# Altium PCB DIOT_Kasli_Adapter.PcbDoc (part 1 of 10) (continued)
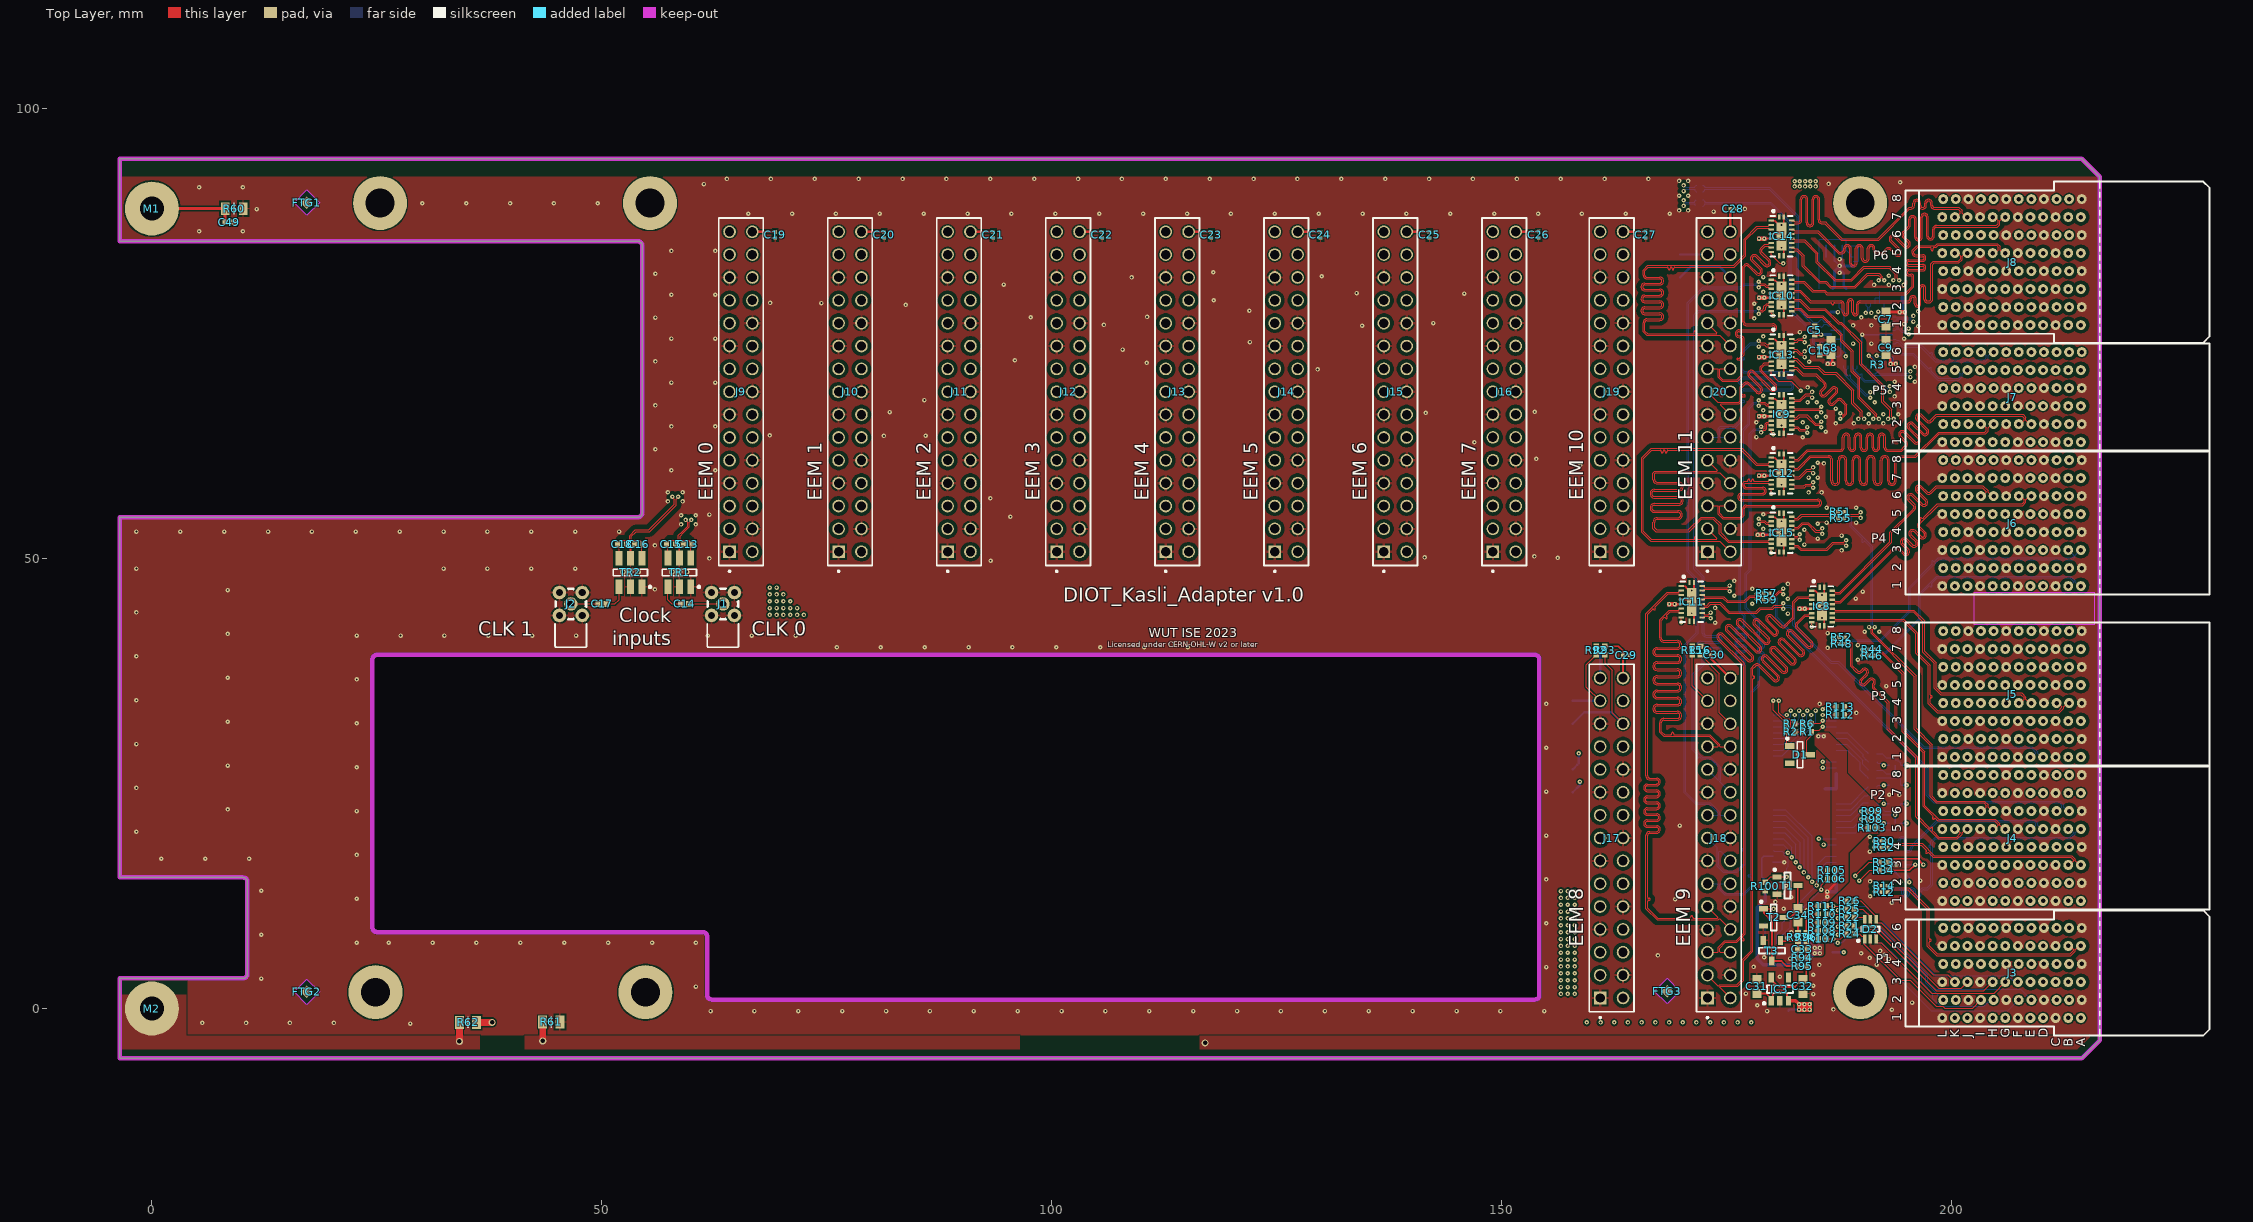
[diagram p0: Top Layer view]
## Classes and differential pairs
component class Press-fit: J3 J4 J5 J6 J7 J8
component class Overlapping: J3 J8
component class Artix: T1 T2 T3
net class ESD_STRIP: CHASSIS STRIP2_5 STRIP3_5
component class DIOT_Kasli_Adapter: C49 FTG1 FTG2 FTG3 FTG4 FTG5 FTG6 M1 M2 R60 R61 R62 TP1 TP2 TP3 TP4 TP5 TP6 TP7 TP8 TP9 TP10 TP12 TP13
net class EXTx2_c: EXT11b.LVDS_0_N EXT11b.LVDS_0_P EXT11b.LVDS_1_N EXT11b.LVDS_1_P EXT11b.LVDS_2_N EXT11b.LVDS_2_P EXT11b.LVDS_3_N EXT11b.LVDS_3_P EXT11b.LVDS_4_N EXT11b.LVDS_4_P EXT11b.LVDS_5_N EXT11b.LVDS_5_P EXT11b.LVDS_6_N EXT11b.LVDS_6_P EXT11b.LVDS_7_N EXT11b.LVDS_7_P
net class EXTx2_a: EXT11.LVDS_0_N EXT11.LVDS_0_P EXT11.LVDS_1_N EXT11.LVDS_1_P EXT11.LVDS_2_N EXT11.LVDS_2_P EXT11.LVDS_3_N EXT11.LVDS_3_P EXT11.LVDS_4_N EXT11.LVDS_4_P EXT11.LVDS_5_N EXT11.LVDS_5_P EXT11.LVDS_6_N EXT11.LVDS_6_P EXT11.LVDS_7_N EXT11.LVDS_7_P
net class EXTx1_c: EXT9b.LVDS_0_N EXT9b.LVDS_0_P EXT9b.LVDS_1_N EXT9b.LVDS_1_P EXT9b.LVDS_2_N EXT9b.LVDS_2_P EXT9b.LVDS_3_N EXT9b.LVDS_3_P EXT9b.LVDS_4_N EXT9b.LVDS_4_P EXT9b.LVDS_5_N EXT9b.LVDS_5_P EXT9b.LVDS_6_N EXT9b.LVDS_6_P EXT9b.LVDS_7_N EXT9b.LVDS_7_P
net class EXTx1_b: EXT9a.LVDS_0_N EXT9a.LVDS_0_P EXT9a.LVDS_1_N EXT9a.LVDS_1_P EXT9a.LVDS_2_N EXT9a.LVDS_2_P EXT9a.LVDS_3_N EXT9a.LVDS_3_P EXT9a.LVDS_4_N EXT9a.LVDS_4_P EXT9a.LVDS_5_N EXT9a.LVDS_5_P EXT9a.LVDS_6_N EXT9a.LVDS_6_P EXT9a.LVDS_7_N EXT9a.LVDS_7_P
component class U_MUX_EEM_EXT: C41 C42 C43 C44 C45 C46 C47 C48 IC8 IC9 IC10 IC11 IC12 IC13 IC14 IC15
net class SLOT8: EXT11b.LVDS_0_N EXT11b.LVDS_0_P EXT11b.LVDS_1_N EXT11b.LVDS_1_P EXT11b.LVDS_2_N EXT11b.LVDS_2_P EXT11b.LVDS_3_N EXT11b.LVDS_3_P EXT11b.LVDS_4_N EXT11b.LVDS_4_P EXT11b.LVDS_5_N EXT11b.LVDS_5_P EXT11b.LVDS_6_N EXT11b.LVDS_6_P EXT11b.LVDS_7_N EXT11b.LVDS_7_P
net class SLOT7: EXT10.LVDS_0_N EXT10.LVDS_0_P EXT10.LVDS_1_N EXT10.LVDS_1_P EXT10.LVDS_2_N EXT10.LVDS_2_P EXT10.LVDS_3_N EXT10.LVDS_3_P EXT10.LVDS_4_N EXT10.LVDS_4_P EXT10.LVDS_5_N EXT10.LVDS_5_P EXT10.LVDS_6_N EXT10.LVDS_6_P EXT10.LVDS_7_N EXT10.LVDS_7_P EXT11a.LVDS_0_N EXT11a.LVDS_0_P EXT11a.LVDS_1_N EXT11a.LVDS_1_P EXT11a.LVDS_2_N EXT11a.LVDS_2_P EXT11a.LVDS_3_N EXT11a.LVDS_3_P EXT11a.LVDS_4_N EXT11a.LVDS_4_P EXT11a.LVDS_5_N EXT11a.LVDS_5_P EXT11a.LVDS_6_N EXT11a.LVDS_6_P EXT11a.LVDS_7_N EXT11a.LVDS_7_P
net class SLOT6: EXT9b.LVDS_0_N EXT9b.LVDS_0_P EXT9b.LVDS_1_N EXT9b.LVDS_1_P EXT9b.LVDS_2_N EXT9b.LVDS_2_P EXT9b.LVDS_3_N EXT9b.LVDS_3_P EXT9b.LVDS_4_N EXT9b.LVDS_4_P EXT9b.LVDS_5_N EXT9b.LVDS_5_P EXT9b.LVDS_6_N EXT9b.LVDS_6_P EXT9b.LVDS_7_N EXT9b.LVDS_7_P
net class SLOT5: EXT8.LVDS_0_N EXT8.LVDS_0_P EXT8.LVDS_1_N EXT8.LVDS_1_P EXT8.LVDS_2_N EXT8.LVDS_2_P EXT8.LVDS_3_N EXT8.LVDS_3_P EXT8.LVDS_4_N EXT8.LVDS_4_P EXT8.LVDS_5_N EXT8.LVDS_5_P EXT8.LVDS_6_N EXT8.LVDS_6_P EXT8.LVDS_7_N EXT8.LVDS_7_P EXT9a.LVDS_0_N EXT9a.LVDS_0_P EXT9a.LVDS_1_N EXT9a.LVDS_1_P EXT9a.LVDS_2_N EXT9a.LVDS_2_P EXT9a.LVDS_3_N EXT9a.LVDS_3_P EXT9a.LVDS_4_N EXT9a.LVDS_4_P EXT9a.LVDS_5_N EXT9a.LVDS_5_P EXT9a.LVDS_6_N EXT9a.LVDS_6_P EXT9a.LVDS_7_N EXT9a.LVDS_7_P
net class SLOT4: EXT6.LVDS_0_N EXT6.LVDS_0_P EXT6.LVDS_1_N EXT6.LVDS_1_P EXT6.LVDS_2_N EXT6.LVDS_2_P EXT6.LVDS_3_N EXT6.LVDS_3_P EXT6.LVDS_4_N EXT6.LVDS_4_P EXT6.LVDS_5_N EXT6.LVDS_5_P EXT6.LVDS_6_N EXT6.LVDS_6_P EXT6.LVDS_7_N EXT6.LVDS_7_P EXT7.LVDS_0_N EXT7.LVDS_0_P EXT7.LVDS_1_N EXT7.LVDS_1_P EXT7.LVDS_2_N EXT7.LVDS_2_P EXT7.LVDS_3_N EXT7.LVDS_3_P EXT7.LVDS_4_N EXT7.LVDS_4_P EXT7.LVDS_5_N EXT7.LVDS_5_P EXT7.LVDS_6_N EXT7.LVDS_6_P EXT7.LVDS_7_N EXT7.LVDS_7_P
net class SLOT3: EXT4.LVDS_0_N EXT4.LVDS_0_P EXT4.LVDS_1_N EXT4.LVDS_1_P EXT4.LVDS_2_N EXT4.LVDS_2_P EXT4.LVDS_3_N EXT4.LVDS_3_P EXT4.LVDS_4_N EXT4.LVDS_4_P EXT4.LVDS_5_N EXT4.LVDS_5_P EXT4.LVDS_6_N EXT4.LVDS_6_P EXT4.LVDS_7_N EXT4.LVDS_7_P EXT5.LVDS_0_N EXT5.LVDS_0_P EXT5.LVDS_1_N EXT5.LVDS_1_P EXT5.LVDS_2_N EXT5.LVDS_2_P EXT5.LVDS_3_N EXT5.LVDS_3_P EXT5.LVDS_4_N EXT5.LVDS_4_P EXT5.LVDS_5_N EXT5.LVDS_5_P EXT5.LVDS_6_N EXT5.LVDS_6_P EXT5.LVDS_7_N EXT5.LVDS_7_P
net class SLOT2: EXT2.LVDS_0_N EXT2.LVDS_0_P EXT2.LVDS_1_N EXT2.LVDS_1_P EXT2.LVDS_2_N EXT2.LVDS_2_P EXT2.LVDS_3_N EXT2.LVDS_3_P EXT2.LVDS_4_N EXT2.LVDS_4_P EXT2.LVDS_5_N EXT2.LVDS_5_P EXT2.LVDS_6_N EXT2.LVDS_6_P EXT2.LVDS_7_N EXT2.LVDS_7_P EXT3.LVDS_0_N EXT3.LVDS_0_P EXT3.LVDS_1_N EXT3.LVDS_1_P EXT3.LVDS_2_N EXT3.LVDS_2_P EXT3.LVDS_3_N EXT3.LVDS_3_P EXT3.LVDS_4_N EXT3.LVDS_4_P EXT3.LVDS_5_N EXT3.LVDS_5_P EXT3.LVDS_6_N EXT3.LVDS_6_P EXT3.LVDS_7_N EXT3.LVDS_7_P
net class SLOT1: EXT0.LVDS_0_N EXT0.LVDS_0_P EXT0.LVDS_1_N EXT0.LVDS_1_P EXT0.LVDS_2_N EXT0.LVDS_2_P EXT0.LVDS_3_N EXT0.LVDS_3_P EXT0.LVDS_4_N EXT0.LVDS_4_P EXT0.LVDS_5_N EXT0.LVDS_5_P EXT0.LVDS_6_N EXT0.LVDS_6_P EXT0.LVDS_7_N EXT0.LVDS_7_P EXT1.LVDS_0_N EXT1.LVDS_0_P EXT1.LVDS_1_N EXT1.LVDS_1_P EXT1.LVDS_2_N EXT1.LVDS_2_P EXT1.LVDS_3_N EXT1.LVDS_3_P EXT1.LVDS_4_N EXT1.LVDS_4_P EXT1.LVDS_5_N EXT1.LVDS_5_P EXT1.LVDS_6_N EXT1.LVDS_6_P EXT1.LVDS_7_N EXT1.LVDS_7_P
net class SERVMOD: SERVMOD.1_SERVMOD_5 SERVMOD.2_SERVMOD_5 SERVMOD.3_SERVMOD_5 SERVMOD.4_SERVMOD_5 SERVMOD.5_SERVMOD_5 SERVMOD.6_SERVMOD_5 SERVMOD.7_SERVMOD_5 SERVMOD.8_SERVMOD_5
net class EXTx1_a: EXT9.LVDS_0_N EXT9.LVDS_0_P EXT9.LVDS_1_N EXT9.LVDS_1_P EXT9.LVDS_2_N EXT9.LVDS_2_P EXT9.LVDS_3_N EXT9.LVDS_3_P EXT9.LVDS_4_N EXT9.LVDS_4_P EXT9.LVDS_5_N EXT9.LVDS_5_P EXT9.LVDS_6_N EXT9.LVDS_6_P EXT9.LVDS_7_N EXT9.LVDS_7_P
net class EXTx2_b: EXT11a.LVDS_0_N EXT11a.LVDS_0_P EXT11a.LVDS_1_N EXT11a.LVDS_1_P EXT11a.LVDS_2_N EXT11a.LVDS_2_P EXT11a.LVDS_3_N EXT11a.LVDS_3_P EXT11a.LVDS_4_N EXT11a.LVDS_4_P EXT11a.LVDS_5_N EXT11a.LVDS_5_P EXT11a.LVDS_6_N EXT11a.LVDS_6_P EXT11a.LVDS_7_N EXT11a.LVDS_7_P
net class EXT11: EXT11.LVDS_0_N EXT11.LVDS_0_P EXT11.LVDS_1_N EXT11.LVDS_1_P EXT11.LVDS_2_N EXT11.LVDS_2_P EXT11.LVDS_3_N EXT11.LVDS_3_P EXT11.LVDS_4_N EXT11.LVDS_4_P EXT11.LVDS_5_N EXT11.LVDS_5_P EXT11.LVDS_6_N EXT11.LVDS_6_P EXT11.LVDS_7_N EXT11.LVDS_7_P
net class EXT11b: EXT11b.LVDS_0_N EXT11b.LVDS_0_P EXT11b.LVDS_1_N EXT11b.LVDS_1_P EXT11b.LVDS_2_N EXT11b.LVDS_2_P EXT11b.LVDS_3_N EXT11b.LVDS_3_P EXT11b.LVDS_4_N EXT11b.LVDS_4_P EXT11b.LVDS_5_N EXT11b.LVDS_5_P EXT11b.LVDS_6_N EXT11b.LVDS_6_P EXT11b.LVDS_7_N EXT11b.LVDS_7_P
net class EXT11a: EXT11a.LVDS_0_N EXT11a.LVDS_0_P EXT11a.LVDS_1_N EXT11a.LVDS_1_P EXT11a.LVDS_2_N EXT11a.LVDS_2_P EXT11a.LVDS_3_N EXT11a.LVDS_3_P EXT11a.LVDS_4_N EXT11a.LVDS_4_P EXT11a.LVDS_5_N EXT11a.LVDS_5_P EXT11a.LVDS_6_N EXT11a.LVDS_6_P EXT11a.LVDS_7_N EXT11a.LVDS_7_P
net class EXT10: EXT10.LVDS_0_N EXT10.LVDS_0_P EXT10.LVDS_1_N EXT10.LVDS_1_P EXT10.LVDS_2_N EXT10.LVDS_2_P EXT10.LVDS_3_N EXT10.LVDS_3_P EXT10.LVDS_4_N EXT10.LVDS_4_P EXT10.LVDS_5_N EXT10.LVDS_5_P EXT10.LVDS_6_N EXT10.LVDS_6_P EXT10.LVDS_7_N EXT10.LVDS_7_P
net class EXT9: EXT9.LVDS_0_N EXT9.LVDS_0_P EXT9.LVDS_1_N EXT9.LVDS_1_P EXT9.LVDS_2_N EXT9.LVDS_2_P EXT9.LVDS_3_N EXT9.LVDS_3_P EXT9.LVDS_4_N EXT9.LVDS_4_P EXT9.LVDS_5_N EXT9.LVDS_5_P EXT9.LVDS_6_N EXT9.LVDS_6_P EXT9.LVDS_7_N EXT9.LVDS_7_P
net class EXT9b: EXT9b.LVDS_0_N EXT9b.LVDS_0_P EXT9b.LVDS_1_N EXT9b.LVDS_1_P EXT9b.LVDS_2_N EXT9b.LVDS_2_P EXT9b.LVDS_3_N EXT9b.LVDS_3_P EXT9b.LVDS_4_N EXT9b.LVDS_4_P EXT9b.LVDS_5_N EXT9b.LVDS_5_P EXT9b.LVDS_6_N EXT9b.LVDS_6_P EXT9b.LVDS_7_N EXT9b.LVDS_7_P
net class EXT9a: EXT9a.LVDS_0_N EXT9a.LVDS_0_P EXT9a.LVDS_1_N EXT9a.LVDS_1_P EXT9a.LVDS_2_N EXT9a.LVDS_2_P EXT9a.LVDS_3_N EXT9a.LVDS_3_P EXT9a.LVDS_4_N EXT9a.LVDS_4_P EXT9a.LVDS_5_N EXT9a.LVDS_5_P EXT9a.LVDS_6_N EXT9a.LVDS_6_P EXT9a.LVDS_7_N EXT9a.LVDS_7_P
net class EXT8: EXT8.LVDS_0_N EXT8.LVDS_0_P EXT8.LVDS_1_N EXT8.LVDS_1_P EXT8.LVDS_2_N EXT8.LVDS_2_P EXT8.LVDS_3_N EXT8.LVDS_3_P EXT8.LVDS_4_N EXT8.LVDS_4_P EXT8.LVDS_5_N EXT8.LVDS_5_P EXT8.LVDS_6_N EXT8.LVDS_6_P EXT8.LVDS_7_N EXT8.LVDS_7_P
net class EXT7: EXT7.LVDS_0_N EXT7.LVDS_0_P EXT7.LVDS_1_N EXT7.LVDS_1_P EXT7.LVDS_2_N EXT7.LVDS_2_P EXT7.LVDS_3_N EXT7.LVDS_3_P EXT7.LVDS_4_N EXT7.LVDS_4_P EXT7.LVDS_5_N EXT7.LVDS_5_P EXT7.LVDS_6_N EXT7.LVDS_6_P EXT7.LVDS_7_N EXT7.LVDS_7_P
net class EXT6: EXT6.LVDS_0_N EXT6.LVDS_0_P EXT6.LVDS_1_N EXT6.LVDS_1_P EXT6.LVDS_2_N EXT6.LVDS_2_P EXT6.LVDS_3_N EXT6.LVDS_3_P EXT6.LVDS_4_N EXT6.LVDS_4_P EXT6.LVDS_5_N EXT6.LVDS_5_P EXT6.LVDS_6_N EXT6.LVDS_6_P EXT6.LVDS_7_N EXT6.LVDS_7_P
net class EXT5: EXT5.LVDS_0_N EXT5.LVDS_0_P EXT5.LVDS_1_N EXT5.LVDS_1_P EXT5.LVDS_2_N EXT5.LVDS_2_P EXT5.LVDS_3_N EXT5.LVDS_3_P EXT5.LVDS_4_N EXT5.LVDS_4_P EXT5.LVDS_5_N EXT5.LVDS_5_P EXT5.LVDS_6_N EXT5.LVDS_6_P EXT5.LVDS_7_N EXT5.LVDS_7_P
net class EXT4: EXT4.LVDS_0_N EXT4.LVDS_0_P EXT4.LVDS_1_N EXT4.LVDS_1_P EXT4.LVDS_2_N EXT4.LVDS_2_P EXT4.LVDS_3_N EXT4.LVDS_3_P EXT4.LVDS_4_N EXT4.LVDS_4_P EXT4.LVDS_5_N EXT4.LVDS_5_P EXT4.LVDS_6_N EXT4.LVDS_6_P EXT4.LVDS_7_N EXT4.LVDS_7_P
net class EXT3: EXT3.LVDS_0_N EXT3.LVDS_0_P EXT3.LVDS_1_N EXT3.LVDS_1_P EXT3.LVDS_2_N EXT3.LVDS_2_P EXT3.LVDS_3_N EXT3.LVDS_3_P EXT3.LVDS_4_N EXT3.LVDS_4_P EXT3.LVDS_5_N EXT3.LVDS_5_P EXT3.LVDS_6_N EXT3.LVDS_6_P EXT3.LVDS_7_N EXT3.LVDS_7_P
net class EXT2: EXT2.LVDS_0_N EXT2.LVDS_0_P EXT2.LVDS_1_N EXT2.LVDS_1_P EXT2.LVDS_2_N EXT2.LVDS_2_P EXT2.LVDS_3_N EXT2.LVDS_3_P EXT2.LVDS_4_N EXT2.LVDS_4_P EXT2.LVDS_5_N EXT2.LVDS_5_P EXT2.LVDS_6_N EXT2.LVDS_6_P EXT2.LVDS_7_N EXT2.LVDS_7_P
net class EXT1: EXT1.LVDS_0_N EXT1.LVDS_0_P EXT1.LVDS_1_N EXT1.LVDS_1_P EXT1.LVDS_2_N EXT1.LVDS_2_P EXT1.LVDS_3_N EXT1.LVDS_3_P EXT1.LVDS_4_N EXT1.LVDS_4_P EXT1.LVDS_5_N EXT1.LVDS_5_P EXT1.LVDS_6_N EXT1.LVDS_6_P EXT1.LVDS_7_N EXT1.LVDS_7_P
net class EXT0: EXT0.LVDS_0_N EXT0.LVDS_0_P EXT0.LVDS_1_N EXT0.LVDS_1_P EXT0.LVDS_2_N EXT0.LVDS_2_P EXT0.LVDS_3_N EXT0.LVDS_3_P EXT0.LVDS_4_N EXT0.LVDS_4_P EXT0.LVDS_5_N EXT0.LVDS_5_P EXT0.LVDS_6_N EXT0.LVDS_6_P EXT0.LVDS_7_N EXT0.LVDS_7_P
net class SHARED_BUS_[4..0]: SHARED_BUS_0 SHARED_BUS_1 SHARED_BUS_2 SHARED_BUS_3 SHARED_BUS_4
component class U_DIO_logic: C31 C32 C33 C34 C35 C36 C37 C38 C39 C40 IC3 IC4 IC5 IC6 IC7 R92 R93 R94 R95 R96 R97 R98 R99 R100 R101 R102 R103 R104 R105 R106 R107 R108 R109 R110 R111 R112 R113 T1 T2 T3 TP11
net class CLK: 1_PE_CLK_5_N 1_PE_CLK_5_P 2_PE_CLK_5_N 2_PE_CLK_5_P 3_PE_CLK_5_N 3_PE_CLK_5_P 4_PE_CLK_5_N 4_PE_CLK_5_P 5_PE_CLK_5_N 5_PE_CLK_5_P 6_PE_CLK_5_N 6_PE_CLK_5_P 7_PE_CLK_5_N 7_PE_CLK_5_P 8_PE_CLK_5_N 8_PE_CLK_5_P
net class LVDS: 1_PE_CLK_5_N 1_PE_CLK_5_P 2_PE_CLK_5_N 2_PE_CLK_5_P 3_PE_CLK_5_N 3_PE_CLK_5_P 4_PE_CLK_5_N 4_PE_CLK_5_P 5_PE_CLK_5_N 5_PE_CLK_5_P 6_PE_CLK_5_N 6_PE_CLK_5_P 7_PE_CLK_5_N 7_PE_CLK_5_P 8_PE_CLK_5_N 8_PE_CLK_5_P
component class CLK_DIST: C1 C2 C3 C4 C5 C6 C7 C8 C9 C10 C11 C12 C13 C14 C15 C16 C17 C18 D1 IC1 IC2 J1 J2 L1 R1 R2 R3 R4 R5 R6 R7 R8 R9 R10 TR1 TR2
net class I2C_SDA_[11..0]: I2C_SDA_0 I2C_SDA_1 I2C_SDA_2 I2C_SDA_3 I2C_SDA_4 I2C_SDA_5 I2C_SDA_6 I2C_SDA_7 I2C_SDA_8 I2C_SDA_9 I2C_SDA_10 I2C_SDA_11
net class I2C_SCL_[11..0]: I2C_SCL_0 I2C_SCL_1 I2C_SCL_2 I2C_SCL_3 I2C_SCL_4 I2C_SCL_5 I2C_SCL_6 I2C_SCL_7 I2C_SCL_8 I2C_SCL_9 I2C_SCL_10 I2C_SCL_11
component class U_IDC_EXT_Connectors: C19 C20 C21 C22 C23 C24 C25 C26 C27 C28 C29 C30 J9 J10 J11 J12 J13 J14 J15 J16 J17 J18 J19 J20
component class U_Cpcis_connectors_P4_P5_P6: J6 J7 J8 R44 R45 R46 R47 R48 R49 R50 R51 R52 R53 R54 R55 R56 R57 R58 R59
component class U_Cpcis_connectors_P1_P2_P3: D2 D3 D4 D5 D6 J3 J4 J5 R11 R12 R13 R14 R15 R16 R17 R18 R19 R20 R21 R22 R23 R24 R25 R26 R27 R28 R29 R30 R31 R32 R33 R34 R35 R36 R37 R38 R39 R40 R41 R42 R43
differential pair Main_DCXO_C_1: +Main_DCXO_C_1_P -Main_DCXO_C_1_N
differential pair Main_DCXO_1: +Main_DCXO_1_P -Main_DCXO_1_N
differential pair DI/OT_LVDS_15_S2_2: +DI/OT_LVDS_15_S2_2_P -DI/OT_LVDS_15_S2_2_N
differential pair DI/OT_LVDS_15_S1_2: +DI/OT_LVDS_15_S1_2_P -DI/OT_LVDS_15_S1_2_N
differential pair AUX_DCXO_C_1: +AUX_DCXO_C_1_P -AUX_DCXO_C_1_N
differential pair AUX_DCXO_1: +AUX_DCXO_1_P -AUX_DCXO_1_N
differential pair 8_PE_TX_3: +8_PE_TX_3_P -8_PE_TX_3_N
differential pair 8_PE_CLK_5: +8_PE_CLK_5_P -8_PE_CLK_5_N
differential pair 7_PE_TX_3: +7_PE_TX_3_P -7_PE_TX_3_N
differential pair 7_PE_CLK_5: +7_PE_CLK_5_P -7_PE_CLK_5_N
differential pair 6_PE_TX_3: +6_PE_TX_3_P -6_PE_TX_3_N
differential pair 6_PE_CLK_5: +6_PE_CLK_5_P -6_PE_CLK_5_N
differential pair 5_PE_TX_3: +5_PE_TX_3_P -5_PE_TX_3_N
differential pair 5_PE_CLK_5: +5_PE_CLK_5_P -5_PE_CLK_5_N
differential pair 4_PE_TX_3: +4_PE_TX_3_P -4_PE_TX_3_N
differential pair 4_PE_CLK_5: +4_PE_CLK_5_P -4_PE_CLK_5_N
differential pair 3_PE_TX_3: +3_PE_TX_3_P -3_PE_TX_3_N
differential pair 3_PE_CLK_5: +3_PE_CLK_5_P -3_PE_CLK_5_N
differential pair 2_PE_TX_2: +2_PE_TX_2_P -2_PE_TX_2_N
differential pair 2_PE_CLK_5: +2_PE_CLK_5_P -2_PE_CLK_5_N
differential pair 1_PE_TX_2: +1_PE_TX_2_P -1_PE_TX_2_N
differential pair 1_PE_CLK_5: +1_PE_CLK_5_P -1_PE_CLK_5_N
differential pair EXT11b.LVDS_7: +EXT11b.LVDS_7_P -EXT11b.LVDS_7_N
differential pair EXT11b.LVDS_2: +EXT11b.LVDS_2_P -EXT11b.LVDS_2_N
differential pair EXT11b.LVDS_1: +EXT11b.LVDS_1_P -EXT11b.LVDS_1_N
differential pair EXT11b.LVDS_0: +EXT11b.LVDS_0_P -EXT11b.LVDS_0_N
differential pair EXT11b.LVDS_4: +EXT11b.LVDS_4_P -EXT11b.LVDS_4_N
differential pair EXT11b.LVDS_3: +EXT11b.LVDS_3_P -EXT11b.LVDS_3_N
differential pair EXT11b.LVDS_6: +EXT11b.LVDS_6_P -EXT11b.LVDS_6_N
differential pair EXT11b.LVDS_5: +EXT11b.LVDS_5_P -EXT11b.LVDS_5_N
differential pair EXT9b.LVDS_7: +EXT9b.LVDS_7_P -EXT9b.LVDS_7_N
differential pair EXT9b.LVDS_2: +EXT9b.LVDS_2_P -EXT9b.LVDS_2_N
differential pair EXT9b.LVDS_4: +EXT9b.LVDS_4_P -EXT9b.LVDS_4_N
differential pair EXT9b.LVDS_3: +EXT9b.LVDS_3_P -EXT9b.LVDS_3_N
differential pair EXT9b.LVDS_6: +EXT9b.LVDS_6_P -EXT9b.LVDS_6_N
differential pair EXT9b.LVDS_5: +EXT9b.LVDS_5_P -EXT9b.LVDS_5_N
differential pair EXT11a.LVDS_7: +EXT11a.LVDS_7_P -EXT11a.LVDS_7_N
differential pair EXT11a.LVDS_6: +EXT11a.LVDS_6_P -EXT11a.LVDS_6_N
differential pair EXT11a.LVDS_5: +EXT11a.LVDS_5_P -EXT11a.LVDS_5_N
differential pair EXT11a.LVDS_4: +EXT11a.LVDS_4_P -EXT11a.LVDS_4_N
differential pair EXT11a.LVDS_3: +EXT11a.LVDS_3_P -EXT11a.LVDS_3_N
differential pair EXT11a.LVDS_2: +EXT11a.LVDS_2_P -EXT11a.LVDS_2_N
differential pair EXT11a.LVDS_1: +EXT11a.LVDS_1_P -EXT11a.LVDS_1_N
differential pair EXT11a.LVDS_0: +EXT11a.LVDS_0_P -EXT11a.LVDS_0_N
differential pair EXT11.LVDS_7: +EXT11.LVDS_7_P -EXT11.LVDS_7_N
differential pair EXT11.LVDS_6: +EXT11.LVDS_6_P -EXT11.LVDS_6_N
differential pair EXT11.LVDS_5: +EXT11.LVDS_5_P -EXT11.LVDS_5_N
differential pair EXT11.LVDS_4: +EXT11.LVDS_4_P -EXT11.LVDS_4_N
differential pair EXT11.LVDS_3: +EXT11.LVDS_3_P -EXT11.LVDS_3_N
differential pair EXT11.LVDS_2: +EXT11.LVDS_2_P -EXT11.LVDS_2_N
differential pair EXT11.LVDS_1: +EXT11.LVDS_1_P -EXT11.LVDS_1_N
differential pair EXT11.LVDS_0: +EXT11.LVDS_0_P -EXT11.LVDS_0_N
differential pair EXT10.LVDS_7: +EXT10.LVDS_7_P -EXT10.LVDS_7_N
differential pair EXT10.LVDS_6: +EXT10.LVDS_6_P -EXT10.LVDS_6_N
differential pair EXT10.LVDS_5: +EXT10.LVDS_5_P -EXT10.LVDS_5_N
differential pair EXT10.LVDS_4: +EXT10.LVDS_4_P -EXT10.LVDS_4_N
differential pair EXT10.LVDS_3: +EXT10.LVDS_3_P -EXT10.LVDS_3_N
differential pair EXT10.LVDS_2: +EXT10.LVDS_2_P -EXT10.LVDS_2_N
differential pair EXT10.LVDS_1: +EXT10.LVDS_1_P -EXT10.LVDS_1_N
differential pair EXT10.LVDS_0: +EXT10.LVDS_0_P -EXT10.LVDS_0_N
differential pair EXT9b.LVDS_1: +EXT9b.LVDS_1_P -EXT9b.LVDS_1_N
differential pair EXT9b.LVDS_0: +EXT9b.LVDS_0_P -EXT9b.LVDS_0_N
differential pair EXT9a.LVDS_7: +EXT9a.LVDS_7_P -EXT9a.LVDS_7_N
differential pair EXT9a.LVDS_6: +EXT9a.LVDS_6_P -EXT9a.LVDS_6_N
differential pair EXT9a.LVDS_5: +EXT9a.LVDS_5_P -EXT9a.LVDS_5_N
differential pair EXT9a.LVDS_4: +EXT9a.LVDS_4_P -EXT9a.LVDS_4_N
differential pair EXT9a.LVDS_3: +EXT9a.LVDS_3_P -EXT9a.LVDS_3_N
differential pair EXT9a.LVDS_2: +EXT9a.LVDS_2_P -EXT9a.LVDS_2_N
differential pair EXT9a.LVDS_1: +EXT9a.LVDS_1_P -EXT9a.LVDS_1_N
differential pair EXT9a.LVDS_0: +EXT9a.LVDS_0_P -EXT9a.LVDS_0_N
differential pair EXT9.LVDS_7: +EXT9.LVDS_7_P -EXT9.LVDS_7_N
differential pair EXT9.LVDS_6: +EXT9.LVDS_6_P -EXT9.LVDS_6_N
differential pair EXT9.LVDS_5: +EXT9.LVDS_5_P -EXT9.LVDS_5_N
differential pair EXT9.LVDS_4: +EXT9.LVDS_4_P -EXT9.LVDS_4_N
differential pair EXT9.LVDS_3: +EXT9.LVDS_3_P -EXT9.LVDS_3_N
differential pair EXT9.LVDS_2: +EXT9.LVDS_2_P -EXT9.LVDS_2_N
differential pair EXT9.LVDS_1: +EXT9.LVDS_1_P -EXT9.LVDS_1_N
differential pair EXT9.LVDS_0: +EXT9.LVDS_0_P -EXT9.LVDS_0_N
differential pair EXT8.LVDS_7: +EXT8.LVDS_7_P -EXT8.LVDS_7_N
differential pair EXT8.LVDS_6: +EXT8.LVDS_6_P -EXT8.LVDS_6_N
differential pair EXT8.LVDS_5: +EXT8.LVDS_5_P -EXT8.LVDS_5_N
differential pair EXT8.LVDS_4: +EXT8.LVDS_4_P -EXT8.LVDS_4_N
differential pair EXT8.LVDS_3: +EXT8.LVDS_3_P -EXT8.LVDS_3_N
differential pair EXT8.LVDS_2: +EXT8.LVDS_2_P -EXT8.LVDS_2_N
differential pair EXT8.LVDS_1: +EXT8.LVDS_1_P -EXT8.LVDS_1_N
differential pair EXT8.LVDS_0: +EXT8.LVDS_0_P -EXT8.LVDS_0_N
differential pair EXT7.LVDS_7: +EXT7.LVDS_7_P -EXT7.LVDS_7_N
differential pair EXT7.LVDS_6: +EXT7.LVDS_6_P -EXT7.LVDS_6_N
differential pair EXT7.LVDS_5: +EXT7.LVDS_5_P -EXT7.LVDS_5_N
differential pair EXT7.LVDS_4: +EXT7.LVDS_4_P -EXT7.LVDS_4_N
differential pair EXT7.LVDS_3: +EXT7.LVDS_3_P -EXT7.LVDS_3_N
differential pair EXT7.LVDS_2: +EXT7.LVDS_2_P -EXT7.LVDS_2_N
differential pair EXT7.LVDS_1: +EXT7.LVDS_1_P -EXT7.LVDS_1_N
differential pair EXT7.LVDS_0: +EXT7.LVDS_0_P -EXT7.LVDS_0_N
differential pair EXT6.LVDS_7: +EXT6.LVDS_7_P -EXT6.LVDS_7_N
differential pair EXT6.LVDS_6: +EXT6.LVDS_6_P -EXT6.LVDS_6_N
differential pair EXT6.LVDS_5: +EXT6.LVDS_5_P -EXT6.LVDS_5_N
differential pair EXT6.LVDS_4: +EXT6.LVDS_4_P -EXT6.LVDS_4_N
differential pair EXT6.LVDS_3: +EXT6.LVDS_3_P -EXT6.LVDS_3_N
differential pair EXT6.LVDS_2: +EXT6.LVDS_2_P -EXT6.LVDS_2_N
differential pair EXT6.LVDS_1: +EXT6.LVDS_1_P -EXT6.LVDS_1_N
differential pair EXT6.LVDS_0: +EXT6.LVDS_0_P -EXT6.LVDS_0_N
differential pair EXT5.LVDS_7: +EXT5.LVDS_7_P -EXT5.LVDS_7_N
differential pair EXT5.LVDS_6: +EXT5.LVDS_6_P -EXT5.LVDS_6_N
differential pair EXT5.LVDS_5: +EXT5.LVDS_5_P -EXT5.LVDS_5_N
differential pair EXT5.LVDS_4: +EXT5.LVDS_4_P -EXT5.LVDS_4_N
differential pair EXT5.LVDS_3: +EXT5.LVDS_3_P -EXT5.LVDS_3_N
differential pair EXT5.LVDS_2: +EXT5.LVDS_2_P -EXT5.LVDS_2_N
differential pair EXT5.LVDS_1: +EXT5.LVDS_1_P -EXT5.LVDS_1_N
differential pair EXT5.LVDS_0: +EXT5.LVDS_0_P -EXT5.LVDS_0_N
differential pair EXT4.LVDS_7: +EXT4.LVDS_7_P -EXT4.LVDS_7_N
differential pair EXT4.LVDS_6: +EXT4.LVDS_6_P -EXT4.LVDS_6_N
differential pair EXT4.LVDS_5: +EXT4.LVDS_5_P -EXT4.LVDS_5_N
differential pair EXT4.LVDS_4: +EXT4.LVDS_4_P -EXT4.LVDS_4_N
differential pair EXT4.LVDS_3: +EXT4.LVDS_3_P -EXT4.LVDS_3_N
differential pair EXT4.LVDS_2: +EXT4.LVDS_2_P -EXT4.LVDS_2_N
differential pair EXT4.LVDS_1: +EXT4.LVDS_1_P -EXT4.LVDS_1_N
differential pair EXT4.LVDS_0: +EXT4.LVDS_0_P -EXT4.LVDS_0_N
differential pair EXT3.LVDS_7: +EXT3.LVDS_7_P -EXT3.LVDS_7_N
differential pair EXT3.LVDS_6: +EXT3.LVDS_6_P -EXT3.LVDS_6_N
differential pair EXT3.LVDS_5: +EXT3.LVDS_5_P -EXT3.LVDS_5_N
differential pair EXT3.LVDS_4: +EXT3.LVDS_4_P -EXT3.LVDS_4_N
differential pair EXT3.LVDS_3: +EXT3.LVDS_3_P -EXT3.LVDS_3_N
differential pair EXT3.LVDS_2: +EXT3.LVDS_2_P -EXT3.LVDS_2_N
differential pair EXT3.LVDS_1: +EXT3.LVDS_1_P -EXT3.LVDS_1_N
differential pair EXT3.LVDS_0: +EXT3.LVDS_0_P -EXT3.LVDS_0_N
differential pair EXT2.LVDS_7: +EXT2.LVDS_7_P -EXT2.LVDS_7_N
differential pair EXT2.LVDS_6: +EXT2.LVDS_6_P -EXT2.LVDS_6_N
differential pair EXT2.LVDS_5: +EXT2.LVDS_5_P -EXT2.LVDS_5_N
differential pair EXT2.LVDS_4: +EXT2.LVDS_4_P -EXT2.LVDS_4_N
differential pair EXT2.LVDS_3: +EXT2.LVDS_3_P -EXT2.LVDS_3_N
differential pair EXT2.LVDS_2: +EXT2.LVDS_2_P -EXT2.LVDS_2_N
differential pair EXT2.LVDS_1: +EXT2.LVDS_1_P -EXT2.LVDS_1_N
differential pair EXT2.LVDS_0: +EXT2.LVDS_0_P -EXT2.LVDS_0_N
differential pair EXT1.LVDS_7: +EXT1.LVDS_7_P -EXT1.LVDS_7_N
differential pair EXT1.LVDS_6: +EXT1.LVDS_6_P -EXT1.LVDS_6_N
differential pair EXT1.LVDS_5: +EXT1.LVDS_5_P -EXT1.LVDS_5_N
differential pair EXT1.LVDS_4: +EXT1.LVDS_4_P -EXT1.LVDS_4_N
differential pair EXT1.LVDS_3: +EXT1.LVDS_3_P -EXT1.LVDS_3_N
differential pair EXT1.LVDS_2: +EXT1.LVDS_2_P -EXT1.LVDS_2_N
differential pair EXT1.LVDS_1: +EXT1.LVDS_1_P -EXT1.LVDS_1_N
differential pair EXT1.LVDS_0: +EXT1.LVDS_0_P -EXT1.LVDS_0_N
differential pair EXT0.LVDS_7: +EXT0.LVDS_7_P -EXT0.LVDS_7_N
differential pair EXT0.LVDS_6: +EXT0.LVDS_6_P -EXT0.LVDS_6_N
differential pair EXT0.LVDS_5: +EXT0.LVDS_5_P -EXT0.LVDS_5_N
differential pair EXT0.LVDS_4: +EXT0.LVDS_4_P -EXT0.LVDS_4_N
differential pair EXT0.LVDS_3: +EXT0.LVDS_3_P -EXT0.LVDS_3_N
differential pair EXT0.LVDS_2: +EXT0.LVDS_2_P -EXT0.LVDS_2_N
differential pair EXT0.LVDS_1: +EXT0.LVDS_1_P -EXT0.LVDS_1_N
differential pair EXT0.LVDS_0: +EXT0.LVDS_0_P -EXT0.LVDS_0_N
differential pair DI/OT_LVDS_15_S8: +DI/OT_LVDS_15_S8_P -DI/OT_LVDS_15_S8_N
differential pair DI/OT_LVDS_15_S7: +DI/OT_LVDS_15_S7_P -DI/OT_LVDS_15_S7_N
differential pair DI/OT_LVDS_15_S6: +DI/OT_LVDS_15_S6_P -DI/OT_LVDS_15_S6_N
differential pair DI/OT_LVDS_15_S5: +DI/OT_LVDS_15_S5_P -DI/OT_LVDS_15_S5_N
differential pair DI/OT_LVDS_15_S4: +DI/OT_LVDS_15_S4_P -DI/OT_LVDS_15_S4_N
differential pair DI/OT_LVDS_15_S3: +DI/OT_LVDS_15_S3_P -DI/OT_LVDS_15_S3_N

## Components (designator, comment, footprint, x,y, rotation, side; value= is the part's Value field where it differs from the comment)
C1 "100nF" CAPC0603X33N 172.014,89.154 r0 bottom
C2 "100nF" CAPC0603X33N 172.014,89.865 r0 bottom
C3 "100nF" CAPC0603X33N 172.014,90.797 r0 bottom
C4 "100nF" CAPC0603X33N 172.014,91.508 r0 bottom
C5 "100nF" CAPC1005X55N 184.797,75.356 r270 top
C6 "10uF" CAPC1608X80N 189.059,79.985 r0 bottom
C7 "1uF" CAPC1608X87N 192.713,76.606 r90 top
C8 "1uF" CAPC1608X87N 186.575,73.46 r270 top
C9 "1uF" CAPC1608X87N 192.713,73.46 r270 top
C10 "100pF" CAPC1005X55N 185.356,73.11 r270 top
C11 "470nF" CAPC1005X55N 190.162,84.795 r0 bottom
C12 "10uF" CAPC1608X80N 186.035,79.985 r180 bottom
C13 "0.5pF" CAPC1005X50N 59.533,51.573 r0 top
C14 "100nF" CAPC1005X55N 59.198,44.958 r180 top
C15 "0.5pF" CAPC1005X50N 57.69,51.573 r0 top
C16 "0.5pF" CAPC1005X50N 54.099,51.572 r0 top
C17 "100nF" CAPC1005X55N 50.05,44.958 r0 top
C18 "0.5pF" CAPC1005X50N 52.255,51.572 r0 top
C19 "100nF" CAPC0603X33N 69.27,85.972 r90 top
C20 "100nF" CAPC0603X33N 81.389,85.972 r90 top
C21 "100nF" CAPC0603X33N 93.508,85.972 r90 top
C22 "100nF" CAPC0603X33N 105.627,85.972 r90 top
C23 "100nF" CAPC0603X33N 117.746,85.972 r90 top
C24 "100nF" CAPC0603X33N 129.865,85.972 r90 top
C25 "100nF" CAPC0603X33N 141.984,85.972 r90 top
C26 "100nF" CAPC0603X33N 154.102,85.98 r90 top
C27 "100nF" CAPC0603X33N 166.027,85.98 r90 top
C28 "100nF" CAPC0603X33N 175.762,88.87 r180 top
C29 "100nF" CAPC0603X33N 163.837,39.27 r180 top
C30 "100nF" CAPC0603X33N 173.612,39.319 r180 top
C31 "1uF" CAPC1608X87N 178.358,2.47 r270 top
C32 "1uF" CAPC1608X87N 183.489,2.47 r90 top
C33 "100nF" CAPC1005X55N 183.38,6.559 r0 top
C34 "10uF" CAPC1608X80N 182.93,10.361 r270 top
C35 "100nF" CAPC1005X55N 187.616,14.217 r180 bottom
C36 "1uF" CAPC1608X87N 187.966,12.998 r180 bottom
C37 "100nF" CAPC1005X55N 187.616,24.443 r180 bottom
C38 "1uF" CAPC1608X87N 185.147,24.443 r0 bottom
C39 "100nF" CAPC1005X55N 179.748,13.392 r180 bottom
C40 "100nF" CAPC1005X55N 183.558,8.719 r180 bottom
C41 "100nF" CAPC1005X55N 184.447,44.884 r270 bottom
C42 "100nF" CAPC1005X55N 179.951,66.261 r270 bottom
C43 "100nF" CAPC1005X55N 179.951,79.433 r270 bottom
C44 "100nF" CAPC1005X55N 169.977,45.392 r270 bottom
C45 "100nF" CAPC1005X55N 179.951,59.675 r270 bottom
C46 "100nF" CAPC1005X55N 179.951,72.847 r270 bottom
C47 "100nF" CAPC1005X55N 179.951,86.019 r270 bottom
C48 "100nF" CAPC1005X55N 179.951,53.089 r270 bottom
C49 "22pF" CAPC1005X55N 8.578,87.376 r0 top
D1 "BAT54" SOT95P240X130-3N 183.159,28.206 r0 top
D2 "PESD3V3L5UY" SOT65P210X110-6N 190.983,8.826 r90 top
D3 "PESD3V3L5UY" SOT65P210X110-6N 190.983,8.826 r90 bottom
D4 "PESD3V3L5UY" SOT65P210X110-6N 193.858,16.004 r0 bottom
D5 "PESD3V3L5UY" SOT65P210X110-6N 193.725,21.682 r270 bottom
D6 "PESD3V3L5UY" SOT65P210X110-6N 193.725,25.914 r90 bottom
FTG1 "Use only in PCB" FIDUCIAL_TOP_S100-200 17.224,89.554 r90 top
FTG2 "Use only in PCB" FIDUCIAL_TOP_S100-200 17.224,1.85 r90 top
FTG3 "Use only in PCB" FIDUCIAL_TOP_S100-200 168.377,1.93 r90 top
FTG4 "Use only in PCB" FIDUCIAL_TOP_S100-200 17.224,89.554 r90 bottom
FTG5 "Use only in PCB" FIDUCIAL_TOP_S100-200 17.224,1.85 r90 bottom
FTG6 "Use only in PCB" FIDUCIAL_TOP_S100-200 168.377,1.93 r90 bottom
IC1 "SI53312-B-GM" QFN50P700X700X90-45N-S295 190.025,74.906 r90 bottom
IC2 "LT3045EDD#PBF" SON50P300X300X80-11N-R175X248 187.547,82.525 r0 bottom
IC3 "MIC5219-3.3YM5" SOT95P280X145-5N 180.924,2.165 r90 top
IC4 "PCA9539DB" SOP65P780X200-24N 183.666,19.189 r0 bottom
IC5 "PCA9539DB" SOP65P780X200-24N 183.666,29.695 r0 bottom
IC6 "24AA025E48-I/SN" SOIC127P600X175-8N 181.203,4.502 r90 bottom
IC7 "24AA02E48T-I/OT" SOT95P280X145-5N 180.248,10.831 r90 bottom
IC8 "HD3SS3212RKS" TEXAS_RKS0020A 185.597,44.684 r0 top
IC9 "HD3SS3212RKS" TEXAS_RKS0020A 181.101,66.061 r0 top
IC10 "HD3SS3212RKS" TEXAS_RKS0020A 181.101,79.233 r0 top
IC11 "HD3SS3212RKS" TEXAS_RKS0020A 171.127,45.192 r0 top
IC12 "HD3SS3212RKS" TEXAS_RKS0020A 181.101,59.475 r0 top
IC13 "HD3SS3212RKS" TEXAS_RKS0020A 181.101,72.647 r0 top
IC14 "HD3SS3212RKS" TEXAS_RKS0020A 181.101,85.819 r0 top
IC15 "HD3SS3212RKS" TEXAS_RKS0020A 181.101,52.889 r0 top
J1 "Coax_1Female_1Shield" HUBER-SUHNER_85_MMCX-50-0-1/111_OE 63.458,44.958 r270 top
J2 "Coax_1Female_1Shield" HUBER-SUHNER_85_MMCX-50-0-1/111_OE 46.552,44.958 r270 top
J3 "P1" AMPHENOL_10052825-101LF 206.719,3.95 r90 top locked
J4 "P2" AMPHENOL_10052837-101LF 206.719,18.95 r90 top locked
J5 "P3" AMPHENOL_10052837-101LF 206.719,34.95 r90 top locked
J6 "P4" AMPHENOL_10052837-101LF 206.719,53.95 r90 top locked
J7 "P5" AMPHENOL_10052824-101LF 206.719,67.95 r90 top locked
J8 "P6" AMPHENOL_10052838-101LF 206.719,82.95 r90 top locked
J9 "" SAMTEC_ESW-115-44-L-D 65.46,68.542 r270 top locked value=ESW-115-44-L-D
J10 "" SAMTEC_ESW-115-44-L-D 77.579,68.542 r270 top locked value=ESW-115-44-L-D
J11 "" SAMTEC_ESW-115-44-L-D 89.698,68.542 r270 top locked value=ESW-115-44-L-D
J12 "" SAMTEC_ESW-115-44-L-D 101.817,68.542 r270 top locked value=ESW-115-44-L-D
J13 "" SAMTEC_ESW-115-44-L-D 113.936,68.542 r270 top locked value=ESW-115-44-L-D
J14 "" SAMTEC_ESW-115-44-L-D 126.055,68.542 r270 top locked value=ESW-115-44-L-D
J15 "" SAMTEC_ESW-115-44-L-D 138.174,68.542 r270 top locked value=ESW-115-44-L-D
J16 "" SAMTEC_ESW-115-44-L-D 150.292,68.55 r270 top locked value=ESW-115-44-L-D
J17 "" SAMTEC_ESW-115-44-L-D 162.217,18.95 r270 top locked value=ESW-115-44-L-D
J18 "" SAMTEC_ESW-115-44-L-D 174.142,18.95 r270 top locked value=ESW-115-44-L-D
J19 "" SAMTEC_ESW-115-44-L-D 162.217,68.55 r270 top locked value=ESW-115-44-L-D
J20 "" SAMTEC_ESW-115-44-L-D 174.142,68.55 r270 top locked value=ESW-115-44-L-D
L1 "120R@100MHz" INDC1608X95N 195.3,79.051 r0 bottom
M1 "Plated Hole" MTG300_600 0,88.9 r0 top locked
M2 "Plated Hole" MTG300_600 0,0 r0 top locked
R1 "10k" RESC1005X40N 183.956,30.756 r180 top
R2 "10k" RESC1005X40N 182.127,30.756 r180 top
R3 "0" RESC0603X28N 191.775,71.548 r180 top
R4 "100" RESC1005X40N 185.559,73.656 r270 bottom
R5 "100" RESC1005X40N 185.559,76.156 r270 bottom
R6 "10k" RESC1005X40N 183.956,31.67 r180 top
R7 "10k" RESC1005X40N 182.127,31.67 r180 top
R8 "0" RESC0603X28N 192.355,79.644 r180 bottom
R9 "18k" RESC1005X40N 188.328,84.795 r180 bottom
R10 "510" RESC1005X40N 186.517,84.795 r180 bottom
R11 "0" RESC0603X28N 192.533,12.943 r180 bottom
R12 "0" RESC0603X28N 192.533,12.943 r0 top
R13 "0" RESC0603X28N 192.533,13.654 r180 bottom
R14 "0" RESC0603X28N 192.533,13.654 r0 top
R15 "4k7" RESC1005X40N 171.183,39.789 r90 top
R16 "4k7" RESC1005X40N 172.097,39.789 r90 top
R17 "22" RESC1005X40N 191.211,20.097 r0 bottom
R18 "22" RESC1005X40N 188.709,10.474 r0 bottom
R19 "22" RESC1005X40N 188.709,11.39 r0 bottom
R20 "22" RESC1005X40N 188.709,7.727 r0 bottom
R21 "22" RESC1005X40N 188.709,9.202 r0 top
R22 "22" RESC1005X40N 188.709,10.118 r0 top
R23 "22" RESC1005X40N 188.709,8.643 r0 bottom
R24 "22" RESC1005X40N 188.709,8.286 r0 top
R25 "22" RESC1005X40N 188.709,11.033 r0 top
R26 "22" RESC1005X40N 188.709,11.949 r0 top
R27 "4k7" RESC1005X40N 185.645,9.559 r180 bottom
R28 "22" RESC1005X40N 188.709,9.559 r0 bottom
R29 "0" RESC0603X28N 192.521,18.612 r180 bottom
R30 "0" RESC0603X28N 192.521,18.612 r0 top
R31 "0" RESC0603X28N 192.521,17.901 r180 bottom
R32 "0" RESC0603X28N 192.521,17.901 r0 top
R33 "22" RESC1005X40N 192.456,16.273 r0 top
R34 "22" RESC1005X40N 192.456,15.354 r0 top
R35 "22" RESC1005X40N 191.211,28.327 r0 bottom
R36 "22" RESC1005X40N 191.211,24.669 r0 bottom
R37 "22" RESC1005X40N 191.211,23.755 r0 bottom
R38 "22" RESC1005X40N 191.211,22.84 r0 bottom
R39 "22" RESC1005X40N 191.211,21.012 r0 bottom
R40 "22" RESC1005X40N 191.211,21.926 r0 bottom
R41 "22" RESC1005X40N 191.211,27.412 r0 bottom
R42 "22" RESC1005X40N 191.211,26.498 r0 bottom
R43 "22" RESC1005X40N 191.211,25.584 r0 bottom
R44 "0" RESC0603X28N 191.181,39.93 r180 top
R45 "0" RESC0603X28N 191.181,39.93 r0 bottom
R46 "0" RESC0603X28N 191.181,39.219 r180 top
R47 "0" RESC0603X28N 191.181,39.219 r0 bottom
R48 "0" RESC0603X28N 187.812,40.544 r180 top
R49 "0" RESC0603X28N 187.812,40.544 r0 bottom
R50 "0" RESC0603X28N 187.698,55.183 r180 bottom
R51 "0" RESC0603X28N 187.698,55.183 r0 top
R52 "0" RESC0603X28N 187.812,41.255 r180 top
R53 "0" RESC0603X28N 187.812,41.255 r0 bottom
R54 "0" RESC0603X28N 187.698,54.472 r180 bottom
R55 "0" RESC0603X28N 187.698,54.472 r0 top
R56 "0" RESC0603X28N 179.445,46.158 r180 bottom
R57 "0" RESC0603X28N 179.445,46.158 r0 top
R58 "0" RESC0603X28N 179.445,45.446 r180 bottom
R59 "0" RESC0603X28N 179.445,45.446 r0 top
R60 "1M1" RESC2012X60N 9.128,88.9 r0 top
R61 "10M" RESC2113X55N 44.38,-1.488 r0 top
R62 "10M" RESC2113X55N 35.13,-1.538 r180 top
R92 "10k" RESC1005X40N 160.528,39.789 r90 top
R93 "10k" RESC1005X40N 161.442,39.789 r90 top
R94 "210k" RESC1005X40N 183.38,5.634 r180 top
R95 "1k" RESC1005X40N 183.38,4.72 r0 top
R96 "1k" RESC1005X40N 183.845,7.943 r270 top
R97 "10k" RESC1005X40N 182.93,7.943 r90 top
R98 "10k" RESC1005X40N 191.211,21.012 r0 top
R99 "10k" RESC1005X40N 191.211,21.926 r0 top
R100 "1k" RESC1005X40N 179.298,13.569 r90 top
R101 "10k" RESC1005X40N 185.645,7.727 r180 bottom
R102 "4k7" RESC1005X40N 185.645,8.643 r180 bottom
R103 "4k7" RESC1005X40N 191.211,20.097 r0 top
R104 "4k7" RESC1005X40N 185.645,11.39 r180 bottom
R105 "10k" RESC1005X40N 186.698,15.373 r0 top
R106 "10k" RESC1005X40N 186.698,14.433 r0 top
R107 "10k" RESC1005X40N 185.645,7.727 r180 top
R108 "10k" RESC1005X40N 185.645,8.643 r180 top
R109 "10k" RESC1005X40N 185.645,9.559 r180 top
R110 "10k" RESC1005X40N 185.645,10.474 r180 top
R111 "10k" RESC1005X40N 185.645,11.39 r180 top
R112 "10k" RESC1005X40N 187.636,32.62 r180 top
R113 "10k" RESC1005X40N 187.636,33.549 r180 top
T1 "BSH103" SOT95P230X110-3N 181.762,13.671 r0 top
T2 "BSH103" SOT95P230X110-3N 180.238,10.12 r0 top
T3 "BSH103" SOT95P230X110-3N 180.038,6.425 r270 top
TP1 "P3V3" TPS127 157.899,34.19 r180 bottom
TP2 "P3V3" TPS127 157.899,31.65 r180 bottom
TP3 "P3V3" TPS127 157.899,26.57 r180 bottom
TP4 "P3V3" TPS127 157.899,24.03 r180 bottom
TP5 "P3V3" TPS127 169.824,83.79 r180 bottom
TP6 "P3V3" TPS127 169.824,81.25 r180 bottom
TP7 "P3V3" TPS127 181.878,-0.235 r180 bottom
TP8 "P3V3" TPS127 160.947,39.778 r180 bottom
TP9 "P3V3" TPS127 163.487,39.778 r180 bottom
TP10 "P3V3" TPS127 162.217,42.826 r90 bottom
TP11 "P3V3" TPS127 186.799,6.262 r90 bottom
TP12 "P3V3" TPS127 167.03,82.52 r90 bottom
TP13 "P3V3" TPS127 157.899,19.966 r90 bottom
TR1 "1:2" XFMR_MINI-CIRCUITS_DB1627 58.612,48.459 r180 top
TR2 "1:2" XFMR_MINI-CIRCUITS_DB1627 53.177,48.458 r180 top

## Footprints (in the part's own frame and the unit in brackets; to place one, negate y for a bottom-side part, rotate by r counter-clockwise, add the part's x,y. Pads: shape width x height; smd on the part's side, far side on the other; paste and mask are expansions set on the pad)
AMPHENOL_10052824-101LF [mm] "72 Contacts, 2mm Pitch, 6 Columns, 4 Pairs per Column, 2 Walls, Right Angle Header"
  round 1.1 hole 0.5: A1(-5,-7.65) A2(-3,-7.75) A3(-1,-7.65) A4(1,-7.75) A5(3,-7.65) A6(5,-7.75) B1(-5,-6.25) B2(-3,-6.35) B3(-1,-6.25) B4(1,-6.35) B5(3,-6.25) B6(5,-6.35) C1(-5,-4.85) C2(-3,-4.95) C3(-1,-4.85) C4(1,-4.95) C5(3,-4.85) C6(5,-4.95) D1(-5,-3.45) D2(-3,-3.55) D3(-1,-3.45) D4(1,-3.55) D5(3,-3.45) D6(5,-3.55) E1(-5,-2.05) E2(-3,-2.15) E3(-1,-2.05) E4(1,-2.15) E5(3,-2.05) E6(5,-2.15) F1(-5,-0.65) F2(-3,-0.75) F3(-1,-0.65) F4(1,-0.75) F5(3,-0.65) F6(5,-0.75) G1(-5,0.75) G2(-3,0.65) G3(-1,0.75) G4(1,0.65) G5(3,0.75) G6(5,0.65) H1(-5,2.15) H2(-3,2.05) H3(-1,2.15) H4(1,2.05) H5(3,2.15) H6(5,2.05) I1(-5,3.55) I2(-3,3.45) I3(-1,3.55) I4(1,3.45) I5(3,3.55) I6(5,3.45) J1(-5,4.95) J2(-3,4.85) J3(-1,4.95) J4(1,4.85) J5(3,4.95) J6(5,4.85) K1(-5,6.35) K2(-3,6.25) K3(-1,6.35) K4(1,6.25) K5(3,6.35) K6(5,6.25) L1(-5,7.75) L2(-3,7.65) L3(-1,7.75) L4(1,7.65) L5(3,7.75) L6(5,7.65)
  silkscreen extent -5.95,-21.95 5.95,11.85, body extent -5.95,-21.95 5.95,11.85, height 15.25
AMPHENOL_10052825-101LF [mm] "72 Contacts, 2mm Pitch, 6 Columns, 4 Pairs per Column, 4 Walls, Right Angle Header"
  round 1.1 hole 0.5: A1(-5,-7.65) A2(-3,-7.75) A3(-1,-7.65) A4(1,-7.75) A5(3,-7.65) A6(5,-7.75) B1(-5,-6.25) B2(-3,-6.35) B3(-1,-6.25) B4(1,-6.35) B5(3,-6.25) B6(5,-6.35) C1(-5,-4.85) C2(-3,-4.95) C3(-1,-4.85) C4(1,-4.95) C5(3,-4.85) C6(5,-4.95) D1(-5,-3.45) D2(-3,-3.55) D3(-1,-3.45) D4(1,-3.55) D5(3,-3.45) D6(5,-3.55) E1(-5,-2.05) E2(-3,-2.15) E3(-1,-2.05) E4(1,-2.15) E5(3,-2.05) E6(5,-2.15) F1(-5,-0.65) F2(-3,-0.75) F3(-1,-0.65) F4(1,-0.75) F5(3,-0.65) F6(5,-0.75) G1(-5,0.75) G2(-3,0.65) G3(-1,0.75) G4(1,0.65) G5(3,0.75) G6(5,0.65) H1(-5,2.15) H2(-3,2.05) H3(-1,2.15) H4(1,2.05) H5(3,2.15) H6(5,2.05) I1(-5,3.55) I2(-3,3.45) I3(-1,3.55) I4(1,3.45) I5(3,3.55) I6(5,3.45) J1(-5,4.95) J2(-3,4.85) J3(-1,4.95) J4(1,4.85) J5(3,4.95) J6(5,4.85) K1(-5,6.35) K2(-3,6.25) K3(-1,6.35) K4(1,6.25) K5(3,6.35) K6(5,6.25) L1(-5,7.75) L2(-3,7.65) L3(-1,7.75) L4(1,7.65) L5(3,7.75) L6(5,7.65)
  silkscreen extent -6.95,-21.95 6.95,11.85, body extent -6.95,-21.95 6.95,11.85, height 15.25